# Altium PCB PA_8CH_CTRL.PcbDoc (part 4 of 10)
Units mm, origin at the board's own origin, x right, y up, seen from the top; angles counter-clockwise.
Board outline 390 x 110 mm, 4 copper layers (Component Side, Signal Layer 1, Power Plane, Solder Side), stack 1.604 mm thick; 833 components, 525 nets, 2536 pads, 1881 vias.
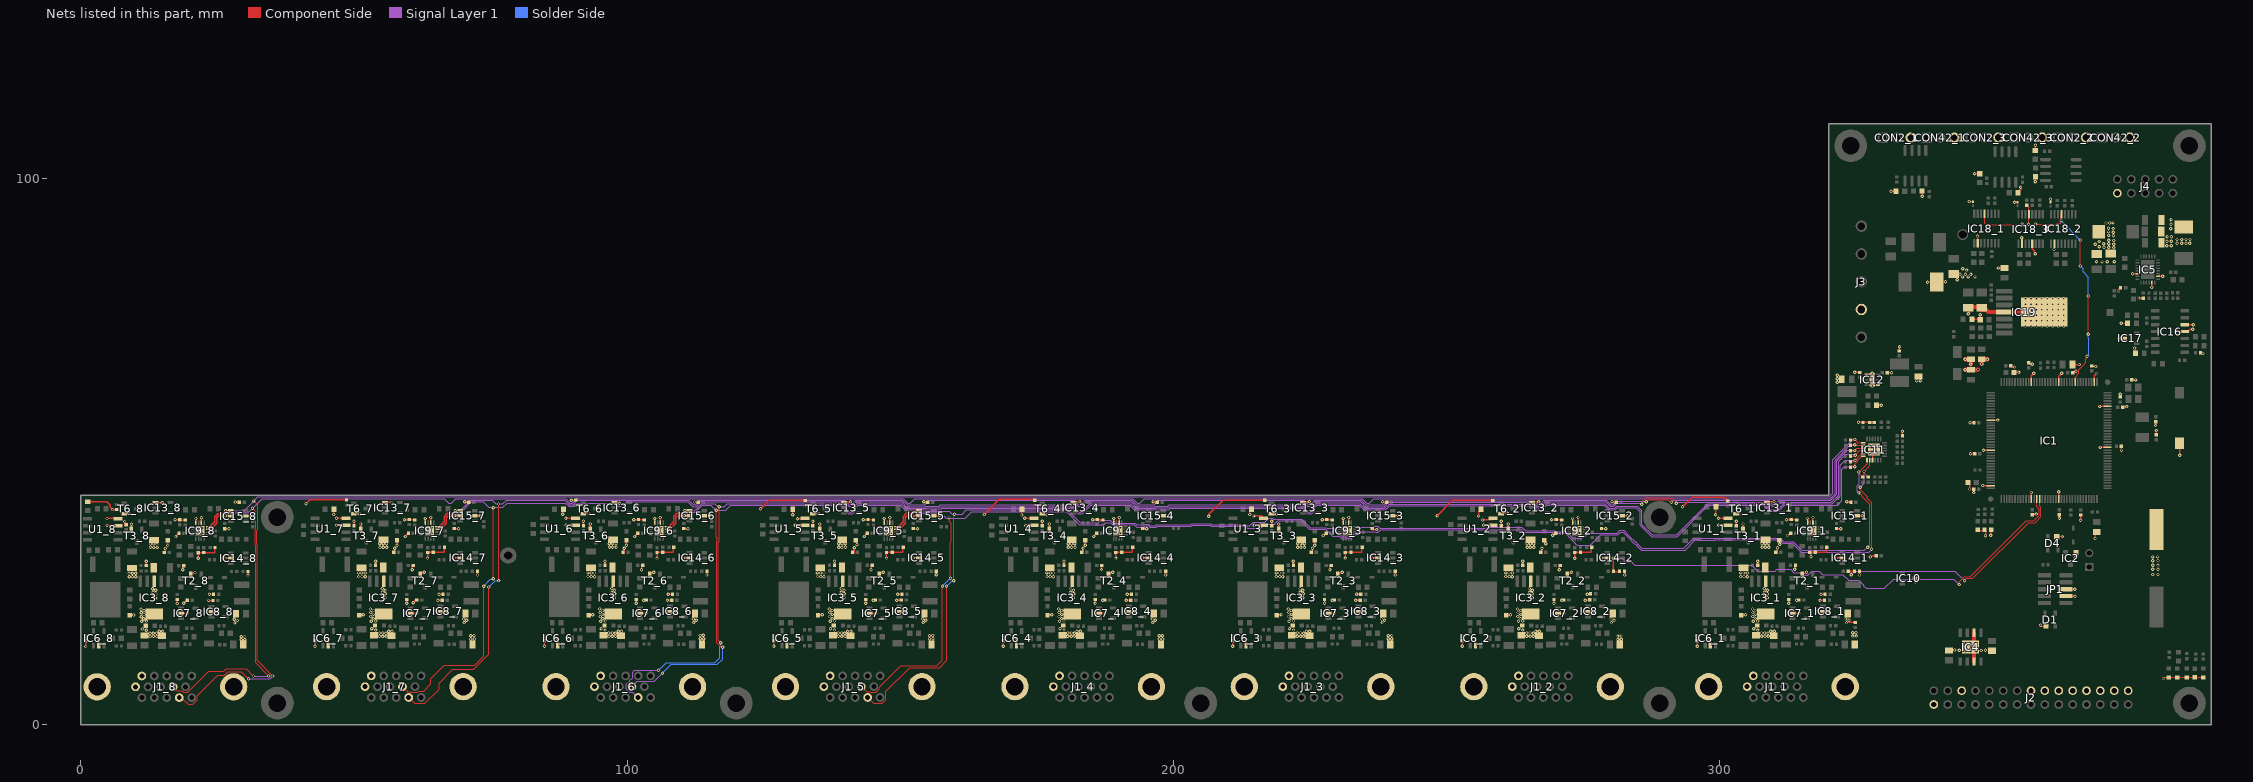
[diagram p6: the nets of this part, all layers, seen from the top]

## Via types
v1: diameter 0.6, hole 0.3, Component Side to Solder Side, tented both sides, 1530 vias
v2: diameter 0.6, hole 0.3, Component Side to Solder Side, 351 vias

## Nets (pads, with @x,y where several pads share a name; then routed paths per layer and width w, separated by ;. In a path a pad name is that pad's centre, name@x,y a point inside that pad or via, vN(x,y) a via of type N, cw(c..) or ccw(c..) an arc to the next point about the centre after c; other vN are vias at no path point) (continued)
EN_PWR_CH6: IC1.122 R85_2.2 R88_2.2 | length 95.1
  Component Side w0.152: v1(343.865,25.679) 343.865,26.173 344.794,27.102 345.903,27.102 356.139,37.338 357.465,37.338 358.491,38.364 358.491,39.502 358.074,39.918 IC1.122@358.074,41.345
  Component Side w0.254: R88_2.2@280.391,28.071 R88_2.2@280.518,28.071 ; v1(280.518,30.48) R88_2.2@280.518,28.071 ; R88_2.2@280.562,28.096 R88_2.2@280.562,28.071 ; R85_2.2@281.629,28.071 R88_2.2@280.562,28.071 ; R88_2.2@280.518,28.071 280.518,27.915 280.562,27.87 R88_2.2@280.562,28.071 ; R88_2.2@280.518,28.071 R88_2.2@280.562,28.071
  Signal Layer 1 w0.152: v1(280.518,30.48) 282.186,30.48 282.773,29.893 283.823,29.893 284.456,29.26 304.437,29.26 304.462,29.234 305.893,29.234 306.976,28.152 310.178,28.152 310.495,28.469 312.992,28.469 313.571,27.889 314.782,27.889 315.282,27.39 316.123,27.39 316.847,28.113 318.23,28.113 318.856,27.488 322.575,27.488 323.596,26.467 325.476,26.467 326.395,25.548 326.395,25.41 326.831,24.973 330.154,24.973 331.876,26.695 342.849,26.695 v1(343.865,25.679)
EN_PWR_CH7: IC1.123 R85_1.2 R88_1.2 | length 45.7
  Component Side w0.152: v1(344.83,26.391) 345.237,26.797 346.354,26.797 356.591,37.033 357.758,37.033 358.801,38.076 358.801,39.776 358.574,40.003 IC1.123@358.574,41.345
  Component Side w0.254: R88_1.2@323.562,28.096 324.104,28.096 ; v1(324.104,27.457) 324.104,28.096 ; R85_1.2@324.68,28.096 324.104,28.096
  Signal Layer 1 w0.152: v1(324.104,27.457) 324.81,28.164 343.057,28.164 v1(344.83,26.391)
FANN: IC1.45 IC18_1.5 IC18_2.5 IC18_3.5 R24.2 | length 53.7
  Component Side w0.152: IC18_1.5@348.507,93.55 348.507,91.867 348.825,91.55 355.3,91.55 355.392,91.642 v2(355.392,91.704) ; R24.2@356.25,95.105 356.608,94.748 IC18_3.5@356.608,93.45 356.55,93.392 v2(356.55,91.65) ; v2(357.875,91.675) 357.9,91.65 360.269,91.65 360.287,91.668 361.607,91.668 361.787,91.847 362.472,91.847 362.583,91.957 ; v2@362.583,92.25 IC18_2.5@362.583,93.5 ; IC1.45@365.074,62.745 365.074,63.673 365.778,64.376 365.778,65.03 366.974,66.226 366.974,66.36 367.029,66.414 367.029,67.029 367.249,67.249 v2(367.249,67.5) ; v2(366,84) v2(366,88.75) ; v2(367.5,71.5) v2@367.5,78.499
  Solder Side w0.152: v2(355.392,91.704) 355.414,91.683 356.517,91.683 v2(356.55,91.65) 356.575,91.675 v2(357.875,91.675) ; v2(362.499,92.25) v2(366,88.75) ; v2(366,84) 366.529,83.471 366.529,82.902 367.499,81.932 367.499,79.497 367.471,79.469 367.471,78.527 v2(367.499,78.5) ; v2(367.249,67.5) 367.528,67.778 367.528,70.719 367.5,70.747 v2(367.5,71.5)
GND: C1.2 C2.2 C3.2 C4.2 C5.2 C6.2 C7.2 C8.2 C9.2 C10.2 C11.2 C12.2 C13.2 C14.2 C15.2 C16.2 C17.1 C18.1 C19_1.1 C19_2.1 C19_3.1 C19_4.1 C19_5.1 C19_6.1 C19_7.1 C19_8.1 C20_1.1 C20_2.1 C20_3.1 C20_4.1 C20_5.1 C20_6.1 C20_7.1 C20_8.1 C21.1 C22.1 C24.1 C25.1 C28.1 C29.1 C30.1 C31.1 C32_1.1 C32_2.1 C32_3.1 C32_4.1 C32_5.1 C32_6.1 C32_7.1 C32_8.1 C33_1.1 C33_2.1 C33_3.1 C33_4.1 C33_5.1 C33_6.1 C33_7.1 C33_8.1 C34_1.1 C34_2.1 C34_3.1 C34_4.1 C34_5.1 C34_6.1 C34_7.1 C34_8.1 C36_1.1 C36_2.1 C36_3.1 C36_4.1 C36_5.1 C36_6.1 C36_7.1 C36_8.1 C37_1.1 C37_2.1 C37_3.1 C37_4.1 C37_5.1 C37_6.1 C37_7.1 C37_8.1 C39_1.2 C39_2.2 C39_3.2 C39_4.2 C39_5.2 C39_6.2 C39_7.2 C39_8.2 C42_1.1 C42_2.1 C42_3.1 C42_4.1 C42_5.1 C42_6.1 C42_7.1 C42_8.1 C43_1.1 C43_2.1 C43_3.1 C43_4.1 C43_5.1 C43_6.1 C43_7.1 C43_8.1 C44_1.2 C44_2.2 C44_3.2 C44_4.2 C44_5.2 C44_6.2 C44_7.2 C44_8.2 C45_1.1 C45_2.1 C45_3.1 C45_4.1 C45_5.1 C45_6.1 C45_7.1 C45_8.1 C46_1.2 C46_2.2 C46_3.2 C46_4.2 C46_5.2 C46_6.2 C46_7.2 C46_8.2 C47_1.1 C47_2.1 C47_3.1 C47_4.1 C47_5.1 C47_6.1 C47_7.1 C47_8.1 C48_1.1 C48_2.1 C48_3.1 C48_4.1 C48_5.1 C48_6.1 C48_7.1 C48_8.1 C49_1.2 C49_2.2 C49_3.2 C49_4.2 C49_5.2 C49_6.2 C49_7.2 C49_8.2 C50_1.2 C50_2.2 C50_3.2 C50_4.2 C50_5.2 C50_6.2 C50_7.2 C50_8.2 C51_1.2 C51_2.2 C51_3.2 C51_4.2 C51_5.2 C51_6.2 C51_7.2 C51_8.2 C52.2 C53.2 C54.2 C55.1 C56.1 C57.1 C58.1 C60_1.1 C60_2.1 C60_3.1 C60_4.1 C60_5.1 C60_6.1 C60_7.1 C60_8.1 C61.2 C63.1 C64.1 C65.2 C66.1 C67.1 C68.1 C69.1 C70.1 C109_1.1 C109_2.1 C109_3.1 C110_1.1 C110_2.1 C110_3.1 C113_1.1 C113_2.1 C113_3.1 CON2_1.3 CON2_2.3 CON2_3.3 CON42_1.3 CON42_2.3 CON42_3.3 D1.1 D4.1 IC1.16 IC1.31 IC1.38 IC1.51 IC1.61 IC1.83 IC1.94 IC1.107 IC1.120 IC1.130 IC2.1 IC3_1.3 IC3_1.6 IC3_2.3 IC3_2.6 IC3_3.3 IC3_3.6 IC3_4.3 IC3_4.6 IC3_5.3 IC3_5.6 IC3_6.3 IC3_6.6 IC3_7.3 IC3_7.6 IC3_8.3 IC3_8.6 IC4.3 IC4.6 IC4.9 IC5.6 IC5.13 IC5.16 IC6_1.2 IC6_2.2 IC6_3.2 IC6_4.2 IC6_5.2 IC6_6.2 IC6_7.2 IC6_8.2 IC7_1.2 IC7_2.2 IC7_3.2 IC7_4.2 IC7_5.2 IC7_6.2 IC7_7.2 IC7_8.2 IC8_1.2 IC8_2.2 IC8_3.2 IC8_4.2 IC8_5.2 IC8_6.2 IC8_7.2 IC8_8.2 IC9_1.6 IC9_1.8 IC9_1.17 IC9_2.6 IC9_2.8 IC9_2.17 IC9_3.6 IC9_3.8 IC9_3.17 IC9_4.6 IC9_4.8 IC9_4.17 IC9_5.6 IC9_5.8 IC9_5.17 IC9_6.6 IC9_6.8 IC9_6.17 IC9_7.6 IC9_7.8 IC9_7.17 IC9_8.6 IC9_8.8 IC9_8.17 IC10.3 IC11.9 IC11.25 IC12.1 IC12.6 IC12.11 IC13_1.1 IC13_2.1 IC13_3.1 IC13_4.1 IC13_5.1 IC13_6.1 IC13_7.1 IC13_8.1 IC14_1.2 IC14_2.2 IC14_3.2 IC14_4.2 IC14_5.2 IC14_6.2 IC14_7.2 IC14_8.2 IC15_1.2 IC15_2.2 IC15_3.2 IC15_4.2 IC15_5.2 IC15_6.2 IC15_7.2 IC15_8.2 IC16.11 IC16.12 IC17.3 IC18_1.10 IC18_2.10 IC18_3.10 IC18_3.13 IC19.4 IC19.8 J1_1.6 J1_1.11 J1_1.16 J1_1.17 J1_2.6 J1_2.11 J1_2.16 J1_2.17 J1_3.6 J1_3.11 J1_3.16 J1_3.17 J1_4.6 J1_4.11 J1_4.16 J1_4.17 J1_5.6 J1_5.11 J1_5.16 J1_5.17 J1_6.6 J1_6.11 J1_6.16 J1_6.17 J1_7.6 J1_7.11 J1_7.16 J1_7.17 J1_8.6 J1_8.11 J1_8.16 J1_8.17 J2.1 J2.3 J2.5 J2.7 J2.9 J2.11 J2.13 J2.15 J2.25 J2.30 J3.2 J4.10 JP1.3 JP1.5 L3.2 L5.2 LD1_1.1 LD1_2.1 LD1_3.1 LD1_4.1 LD1_5.1 LD1_6.1 LD1_7.1 LD1_8.1 LD2_1.1 LD2_2.1 LD2_3.1 LD2_4.1 LD2_5.1 LD2_6.1 LD2_7.1 LD2_8.1 LD3.1 LD9.1 LD10.1 LD11.1 LD12_1.2 LD12_2.2 LD12_3.2 LD12_4.2 LD12_5.2 LD12_6.2 LD12_7.2 LD12_8.2 LD16.1 LD17.1 LD18.2 LD19.1 PB1.2 R2.1 R4.2 R9_1.1 R9_2.1 R9_3.1 R9_4.1 R9_5.1 R9_6.1 R9_7.1 R9_8.1 R13_1.1 R13_2.1 R13_3.1 R13_4.1 R13_5.1 R13_6.1 R13_7.1 R13_8.1 R16.1 R18.1 R31.1 R50_1.2 R50_2.2 R50_3.2 R50_4.2 R50_5.2 R50_6.2 R50_7.2 R50_8.2 R51_1.1 R51_2.1 R51_3.1 R51_4.1 R51_5.1 R51_6.1 R51_7.1 R51_8.1 R52_1.1 R52_2.1 R52_3.1 R52_4.1 R52_5.1 R52_6.1 R52_7.1 R52_8.1 R59_1.2 R59_2.2 R59_3.2 R59_4.2 R59_5.2 R59_6.2 R59_7.2 R59_8.2 R66.1 R67.1 R69.1 R82.1 R83.1 R85_1.1 R85_2.1 R85_3.1 R85_4.1 R85_5.1 R85_6.1 R85_7.1 R85_8.1 R90_1.1 R90_2.1 R90_3.1 R90_4.1 R90_5.1 R90_6.1 R90_7.1 R90_8.1 R95.2 R97.1 R99.1 T2_1.2 T2_2.2 T2_3.2 T2_4.2 T2_5.2 T2_6.2 T2_7.2 T2_8.2 T3_1.2 T3_2.2 T3_3.2 T3_4.2 T3_5.2 T3_6.2 T3_7.2 T3_8.2 T6_1.2 T6_2.2 T6_3.2 T6_4.2 T6_5.2 T6_6.2 T6_7.2 T6_8.2 U1_1.3 U1_1.4 U1_2.3 U1_2.4 U1_3.3 U1_3.4 U1_4.3 U1_4.4 U1_5.3 U1_5.4 U1_6.3 U1_6.4 U1_7.3 U1_7.4 U1_8.3 U1_8.4 | length 467.6
  Component Side w0.152: v2(338.075,81.05) 338.1,81.075 L5.2@339.75,81.075 341.325,81.075 v2(341.35,81.1) ; v2(358.75,18.25) 358.9,18.1 D1.1@359.75,18.1 ; v2(361.22,87.027) 361.247,87 361.25,87 361.313,87.063 IC18_2.10@361.313,88.1 ; D4.1@361.75,34.4 361.85,34.5 v2(362.75,34.5) ; v2(373.5,73.5) R95.2@374.7,73.5 ; C1.2@375.43,63.144 376.169,63.144 v2(376.175,63.15) ; v2(376,69) 376.125,68.875 R97.1@376.125,68 ; v2(381.25,8.5) 381.425,8.675 LD18.2@382.25,8.675 LD17.1@383.75,8.675 LD16.1@385.5,8.675 LD3.1@388.5,8.675
  Component Side w0.254: v1(0.889,14.351) C43_8.1@0.889,15.396 ; R9_8.1@1.3,40.85 2.3,40.85 2.35,40.9 2.375,40.875 2.375,40.85 4.72,40.85 5.379,40.191 5.379,39.833 v1(5.805,39.407) R52_8.1@6.61,39.407 ; IC6_8.2@3.302,14.546 v1(3.302,15.621) ; v1(4.814,36.512) U1_8.3@6.535,36.512 ; v1(4.813,37.782) U1_8.4@6.535,37.782 ; T6_8.2@7.985,38.627 8.093,38.735 v1(8.788,38.735) ; C20_8.1@8.026,36.442 v1(8.026,37.236) ; LD1_8.1@8.96,20.077 9,20.117 v1(9.728,20.117) ; T3_8.2@9.286,35.77 v1(9.286,36.744) ; R13_8.1@11.98,29.177 v1(11.98,29.938) ; C42_8.1@13.41,33.852 C42_8.1@13.467,33.795 ; IC13_8.1@13.698,40.68 v1(14.899,40.68) ; C39_8.2@15.273,31.547 15.482,31.338 v1(15.482,32.296) ; v1(15.9,32.842) LD12_8.2@15.9,33.795 ; v1(17.247,37.541) 17.265,37.559 C49_8.2@18.11,37.559 ; v1(17.424,34.468) 17.424,34.486 C44_8.2@17.99,35.052 ; v1(17.678,22.225) R51_8.1@17.678,22.923 ; C49_8.2@18.212,37.509 18.243,37.478 R59_8.2@19.202,37.478 ; IC7_8.2@18.385,20.418 v1(19.511,20.418) ; v1(18.662,28.379) C46_8.2@18.662,29.159 ; v1(18.847,22.25) 18.858,22.25 19.416,22.809 19.442,22.784 C47_8.1@19.489,22.831 ; T2_8.2@20.132,27.537 20.132,27.762 20.777,27.762 v1(20.904,27.889) ; v1(21.082,37.77) 21.094,37.758 IC9_8.8@21.094,37.006 ; v1(21.488,30.505) C48_8.1@21.488,31.529 22.504,31.529 C51_8.2@22.53,31.554 24.428,31.554 24.504,31.63 C45_8.1@24.504,32.461 ; IC9_8.6@22.094,37.006 v1(22.094,37.926) ; v1(23.393,22.784) 23.419,22.758 C50_8.2@24.098,22.758 ; v1(23.571,23.901) R50_8.2@24.32,23.901 ; IC8_8.2@24.105,20.672 24.126,20.65 v1(25.095,20.65) ; R90_8.1@26.391,35.903 26.403,35.89 v1(27.153,35.89) ; v1(26.416,30.531) IC14_8.2@27.454,30.531 ; v1(28.296,40.792) 28.536,40.792 28.598,40.73 C60_8.1@29.048,40.73 ; IC15_8.2@30.148,38.23 30.168,38.25 v1(31,38.25) ; v1(30.62,27.419) R85_8.1@30.62,28.067 ; v2(41.224,40.462) 41.974,41.212 48.565,41.212 R52_7.1@48.641,41.135 ; v1(42.889,14.38) C43_7.1@42.889,15.425 ; IC6_7.2@45.302,14.575 v1(45.302,15.65) ; v1(46.33,38.506) 46.33,39.476 R9_7.1@46.335,39.481 ; v1(46.813,37.811) U1_7.4@48.535,37.811 ; v1(46.814,36.541) U1_7.3@48.535,36.541 ; T6_7.2@49.985,38.656 49.988,38.659 v1(50.978,38.659) ; C20_7.1@50.026,36.471 v1(50.026,37.265) ; LD1_7.1@50.96,20.106 51,20.146 v1(51.728,20.146) ; T3_7.2@51.286,35.799 v1(51.286,36.773) ; R13_7.1@53.98,29.206 v1(53.98,29.967) ; C42_7.1@55.41,33.881 C42_7.1@55.467,33.824 ; IC13_7.1@55.698,40.709 v1(56.899,40.709) ; C39_7.2@57.273,31.576 57.482,31.367 v1(57.482,32.325) ; v1(57.9,32.871) LD12_7.2@57.9,33.824 ; v1(59.247,37.57) 59.265,37.588 C49_7.2@60.11,37.588 ; v1(59.424,34.497) 59.424,34.515 C44_7.2@59.99,35.081 ; v1(59.678,22.254) R51_7.1@59.678,22.952 ; C49_7.2@60.212,37.538 60.243,37.507 R59_7.2@61.202,37.507 ; IC7_7.2@60.385,20.447 v1(61.511,20.447) ; v1(60.662,28.408) C46_7.2@60.662,29.188 ; v1(60.884,22.352) 60.884,22.4 61.369,22.885 61.442,22.813 C47_7.1@61.489,22.86 ; T2_7.2@62.132,27.566 62.132,27.791 62.777,27.791 v1(62.904,27.918) ; v1(63.082,37.799) 63.094,37.787 IC9_7.8@63.094,37.035 ; v1(63.488,30.534) C48_7.1@63.488,31.558 64.504,31.558 C51_7.2@64.53,31.583 66.428,31.583 66.504,31.659 C45_7.1@66.504,32.49 ; IC9_7.6@64.094,37.035 v1(64.094,37.955) ; v1(65.393,22.813) 65.419,22.787 C50_7.2@66.098,22.787 ; v1(65.571,23.93) R50_7.2@66.32,23.93 ; IC8_7.2@66.105,20.701 66.126,20.679 v1(67.095,20.679) ; R90_7.1@68.391,35.932 68.403,35.919 v1(69.153,35.919) ; v1(68.416,30.56) IC14_7.2@69.454,30.56 ; v1(70.296,40.821) 70.536,40.821 70.598,40.759 C60_7.1@71.048,40.759 ; IC15_7.2@72.148,38.259 v1(73.143,38.259) ; v1(72.62,27.448) R85_7.1@72.62,28.096 ; v1(84.889,14.38) C43_6.1@84.889,15.425 ; IC6_6.2@87.302,14.575 v1(87.302,15.65) ; v1(88.24,38.557) 88.24,39.386 R9_6.1@88.335,39.481 ; v1(88.813,37.811) U1_6.4@90.535,37.811 ; v1(88.814,36.541) U1_6.3@90.535,36.541 ; v2(89.775,41.135) R52_6.1@90.602,41.135 ; T6_6.2@91.985,38.656 92.033,38.608 v1(93.116,38.608) ; C20_6.1@92.026,36.471 v1(92.026,37.265) ; LD1_6.1@92.96,20.106 93,20.146 v1(93.728,20.146) ; T3_6.2@93.286,35.799 v1(93.286,36.773) ; R13_6.1@95.98,29.206 v1(95.98,29.967) ; C42_6.1@97.41,33.881 C42_6.1@97.467,33.824 ; IC13_6.1@97.698,40.709 97.843,40.564 v1(98.603,40.564) ; C39_6.2@99.273,31.576 99.482,31.367 v1(99.482,32.325) ; v1(99.9,32.871) LD12_6.2@99.9,33.824 ; v1(101.247,37.57) 101.265,37.588 C49_6.2@102.11,37.588 ; v1(101.424,34.497) 101.424,34.515 C44_6.2@101.99,35.081 ; v1(101.678,22.254) R51_6.1@101.678,22.952 ; C49_6.2@102.212,37.538 102.243,37.507 R59_6.2@103.202,37.507 ; IC7_6.2@102.385,20.447 v1(103.511,20.447) ; v1(102.662,28.408) C46_6.2@102.662,29.188 ; v1(103.075,22.813) 103.442,22.813 C47_6.1@103.489,22.86 ; T2_6.2@104.132,27.566 104.132,27.791 104.777,27.791 v1(104.904,27.918) ; v1(105.082,37.799) 105.094,37.787 IC9_6.8@105.094,37.035 ; v1(105.488,30.534) C48_6.1@105.488,31.558 106.504,31.558 C51_6.2@106.53,31.583 108.428,31.583 108.504,31.659 C45_6.1@108.504,32.49 ; IC9_6.6@106.094,37.035 v1(106.094,37.955) ; v1(107.393,22.813) 107.419,22.787 C50_6.2@108.098,22.787 ; v1(107.571,23.93) R50_6.2@108.32,23.93 ; IC8_6.2@108.105,20.701 108.126,20.679 v1(109.095,20.679) ; R90_6.1@110.391,35.932 110.403,35.919 v1(111.153,35.919) ; v1(110.416,30.56) IC14_6.2@111.454,30.56 ; v1(112.344,40.792) 113.015,40.792 C60_6.1@113.048,40.759 ; IC15_6.2@114.148,38.259 v1(115.143,38.259) ; v1(114.62,27.448) R85_6.1@114.62,28.096 ; v2(124.435,39.548) 126.048,41.161 132.563,41.161 R52_5.1@132.639,41.085 ; v1(126.889,14.38) C43_5.1@126.889,15.425 ; IC6_5.2@129.302,14.575 v1(129.302,15.65) ; v1(130.327,38.481) 130.327,39.489 R9_5.1@130.335,39.481 ; v1(130.814,36.541) U1_5.3@132.535,36.541 ; v1(131.191,37.719) 132.443,37.719 U1_5.4@132.535,37.811 ; T6_5.2@133.985,38.656 134.013,38.684 v1(135.026,38.684) ; C20_5.1@134.026,36.471 v1(134.026,37.265) ; LD1_5.1@134.96,20.106 135,20.146 v1(135.728,20.146) ; T3_5.2@135.286,35.799 v1(135.286,36.773) ; R13_5.1@137.98,29.206 v1(137.98,29.967) ; C42_5.1@139.41,33.881 C42_5.1@139.467,33.824 ; IC13_5.1@139.698,40.709 139.843,40.564 140.123,40.843 v1(140.894,40.843) ; C39_5.2@141.273,31.576 141.482,31.367 141.58,31.465 v1(141.58,32.436) ; LD12_5.2@141.9,33.824 142.088,33.637 v1(142.088,32.969) ; v1(143.247,37.57) 143.265,37.588 C49_5.2@144.11,37.588 ; v1(143.424,34.497) 143.424,34.515 C44_5.2@143.99,35.081 ; v1(143.678,22.254) R51_5.1@143.678,22.952 ; C49_5.2@144.212,37.538 144.243,37.507 R59_5.2@145.202,37.507 ; IC7_5.2@144.385,20.447 v1(145.511,20.447) ; v1(144.662,28.408) C46_5.2@144.662,29.188 ; v1(145.075,22.813) 145.442,22.813 C47_5.1@145.489,22.86 ; T2_5.2@146.132,27.566 146.132,27.791 146.777,27.791 v1(146.904,27.918) ; v1(147.082,37.799) 147.094,37.787 IC9_5.8@147.094,37.035 ; v1(147.488,30.534) C48_5.1@147.488,31.558 148.504,31.558 C51_5.2@148.53,31.583 150.428,31.583 150.504,31.659 C45_5.1@150.504,32.49 ; IC9_5.6@148.094,37.035 v1(148.094,37.955) ; v1(149.393,22.813) 149.419,22.787 C50_5.2@150.098,22.787 ; v1(149.571,23.93) R50_5.2@150.32,23.93 ; IC8_5.2@150.105,20.701 150.126,20.679 v1(151.095,20.679) ; R90_5.1@152.391,35.932 152.403,35.919 v1(153.153,35.919) ; v1(152.416,30.56) IC14_5.2@153.454,30.56 ; v1(154.296,40.821) 154.536,40.821 154.598,40.759 C60_5.1@155.048,40.759 ; IC15_5.2@156.148,38.259 v1(157.143,38.259) ; v1(156.591,27.483) 156.591,28.067 R85_5.1@156.62,28.096 ; v2(165.405,38.506) 168.161,41.262 174.473,41.262 R52_4.1@174.625,41.11 ; v1(168.889,14.38) C43_4.1@168.889,15.425 ; IC6_4.2@171.302,14.575 v1(171.302,15.65) ; v1(172.288,38.43) 172.288,39.434 R9_4.1@172.335,39.481 ; v1(172.813,37.811) U1_4.4@174.535,37.811 ; v1(173,36.5) 174.494,36.5 U1_4.3@174.535,36.541 ; T6_4.2@175.985,38.656 176.185,38.456 v1(176.886,38.456) ; C20_4.1@176.026,36.471 v1(176.026,37.265) ; LD1_4.1@176.96,20.106 177,20.146 v1(177.728,20.146) ; T3_4.2@177.286,35.799 v1(177.286,36.773) ; R13_4.1@179.98,29.206 v1(179.98,29.967) ; C42_4.1@181.41,33.881 C42_4.1@181.467,33.824 ; IC13_4.1@181.698,40.709 181.843,40.564 182.123,40.843 v1(182.905,40.843) ; C39_4.2@183.273,31.576 183.482,31.576 v1(183.482,32.325) ; v1(183.9,32.871) LD12_4.2@183.9,33.824 ; v1(185.247,37.57) 185.265,37.588 C49_4.2@186.11,37.588 ; v1(185.424,34.497) 185.424,34.515 C44_4.2@185.99,35.081 ; v1(185.678,22.254) R51_4.1@185.678,22.952 ; C49_4.2@186.212,37.538 186.243,37.507 R59_4.2@187.202,37.507 ; IC7_4.2@186.385,20.447 v1(187.511,20.447) ; v1(186.868,28.423) C46_4.2@186.868,28.982 ; v1(187.075,22.813) 187.442,22.813 C47_4.1@187.489,22.86 ; T2_4.2@188.132,27.566 188.132,27.791 188.777,27.791 v1(188.904,27.918) ; v1(189.082,37.799) 189.094,37.787 IC9_4.8@189.094,37.035 ; v1(189.488,30.534) C48_4.1@189.488,31.558 190.504,31.558 C51_4.2@190.53,31.583 192.428,31.583 192.504,31.659 C45_4.1@192.504,32.49 ; IC9_4.6@190.094,37.035 v1(190.094,37.955) ; v1(191.393,22.813) 191.419,22.787 C50_4.2@192.098,22.787 ; v1(191.571,23.93) R50_4.2@192.32,23.93 ; IC8_4.2@192.105,20.701 192.126,20.679 v1(193.095,20.679) ; R90_4.1@194.391,35.932 194.403,35.919 v1(195.153,35.919) ; v1(194.416,30.56) IC14_4.2@195.454,30.56 ; v1(196.296,40.821) 196.536,40.821 196.598,40.759 C60_4.1@197.048,40.759 ; IC15_4.2@198.148,38.259 198.157,38.25 v1(198.75,38.25) ; v1(198.62,27.448) R85_4.1@198.62,28.096 ; v2(206.502,38.176) 206.502,38.532 209.131,41.161 216.662,41.161 R52_3.1@216.713,41.11 ; v1(210.889,14.38) C43_3.1@210.889,15.425 ; IC6_3.2@213.302,14.575 v1(213.302,15.65) ; v1(214,38.5) 214,39.044 214.401,39.446 214.351,39.497 R9_3.1@214.335,39.481 ; v1(214.75,38.25) 216.096,38.25 U1_3.4@216.535,37.811 ; v1(214.814,36.541) U1_3.3@216.535,36.541 ; T6_3.2@217.985,38.656 218.109,38.532 v1(218.923,38.532) ; C20_3.1@218.026,36.471 v1(218.026,37.265) ; LD1_3.1@218.96,20.106 219,20.146 v1(219.728,20.146) ; T3_3.2@219.286,35.799 v1(219.286,36.773) ; v1(221.945,29.947) 221.945,29.241 R13_3.1@221.98,29.206 ; C42_3.1@223.41,33.881 C42_3.1@223.467,33.824 ; IC13_3.1@223.698,40.709 223.843,40.564 224.123,40.843 v1(224.892,40.843) ; C39_3.2@225.273,31.576 225.482,31.367 v1(225.482,32.325) ; v1(225.9,32.871) LD12_3.2@225.9,33.824 ; v1(227.247,37.57) 227.265,37.588 C49_3.2@228.11,37.588 ; v1(227.432,34.671) 227.58,34.671 C44_3.2@227.99,35.081 ; v1(227.678,22.254) R51_3.1@227.678,22.952 ; C49_3.2@228.212,37.538 228.243,37.507 R59_3.2@229.202,37.507 ; IC7_3.2@228.385,20.447 v1(229.511,20.447) ; v1(228.662,28.408) C46_3.2@228.662,29.188 ; v1(229.075,22.813) 229.442,22.813 C47_3.1@229.489,22.86 ; T2_3.2@230.132,27.566 230.132,27.791 230.777,27.791 v1(230.904,27.918) ; v1(231.082,37.799) 231.094,37.787 IC9_3.8@231.094,37.035 ; v1(231.488,30.534) C48_3.1@231.488,31.558 232.504,31.558 C51_3.2@232.53,31.583 234.428,31.583 234.504,31.659 C45_3.1@234.504,32.49 ; IC9_3.6@232.094,37.035 v1(232.094,37.955) ; v1(233.393,22.813) 233.419,22.787 C50_3.2@234.098,22.787 ; v1(233.571,23.93) R50_3.2@234.32,23.93 ; IC8_3.2@234.105,20.701 234.126,20.679 v1(235.095,20.679) ; R90_3.1@236.391,35.932 236.572,35.75 v1(237.25,35.75) ; v1(236.416,30.56) IC14_3.2@237.454,30.56 ; v1(238.296,40.821) 238.536,40.821 238.598,40.759 C60_3.1@239.048,40.759 ; IC15_3.2@240.148,38.259 v1(241.143,38.259) ; v1(240.62,27.448) R85_3.1@240.62,28.096 ; v2(248.285,38.278) 251.092,41.085 R52_2.1@258.47,41.085 ; v1(252.889,14.38) C43_2.1@252.889,15.425 ; IC6_2.2@255.302,14.575 v1(255.302,15.65) ; v1(255.88,38.252) 255.88,39.026 R9_2.1@256.335,39.481 ; v1(256.667,37.516) 258.24,37.516 U1_2.4@258.535,37.811 ; v1(256.814,36.541) U1_2.3@258.535,36.541 ; T6_2.2@259.985,38.656 260.064,38.735 v1(261.112,38.735) ; C20_2.1@260.026,36.471 v1(260.026,37.265) ; LD1_2.1@260.96,20.106 261,20.146 v1(261.728,20.146) ; T3_2.2@261.286,35.799 v1(261.286,36.773) ; R13_2.1@263.98,29.206 v1(263.98,29.967) ; C42_2.1@265.41,33.881 C42_2.1@265.467,33.824 ; IC13_2.1@265.698,40.709 265.843,40.564 266.123,40.843 v1(266.903,40.843) ; C39_2.2@267.273,31.576 267.482,31.367 v1(267.482,32.325) ; LD12_2.2@267.9,33.824 268.173,33.551 v1(268.173,33.147) ; v1(269.247,37.57) 269.265,37.588 C49_2.2@270.11,37.588 ; v1(269.443,34.696) 269.555,34.696 269.58,34.671 C44_2.2@269.99,35.081 ; v1(269.678,22.254) R51_2.1@269.678,22.952 ; C49_2.2@270.212,37.538 270.243,37.507 R59_2.2@271.202,37.507 ; IC7_2.2@270.385,20.447 v1(271.511,20.447) ; v1(270.662,28.408) C46_2.2@270.662,29.188 ; v1(271.075,22.813) 271.442,22.813 C47_2.1@271.489,22.86 ; T2_2.2@272.132,27.566 272.132,27.791 272.777,27.791 v1(272.904,27.918) ; v1(273.082,37.799) 273.094,37.787 IC9_2.8@273.094,37.035 ; v1(273.482,30.505) 273.482,31.551 C48_2.1@273.488,31.558 274.504,31.558 C51_2.2@274.53,31.583 276.428,31.583 276.504,31.659 C45_2.1@276.504,32.49 ; IC9_2.6@274.094,37.035 v1(274.094,37.955) ; v1(275.393,22.813) 275.419,22.787 C50_2.2@276.098,22.787 ; v1(275.768,23.927) 276.317,23.927 R50_2.2@276.32,23.93 ; IC8_2.2@276.105,20.701 276.246,20.701 276.577,20.371 v1(277.063,20.371) ; R90_2.1@278.391,35.932 278.403,35.919 v1(279.153,35.919) ; v1(278.416,30.56) IC14_2.2@279.454,30.56 ; v1(280.296,40.821) 280.536,40.821 280.598,40.759 C60_2.1@281.048,40.759 ; IC15_2.2@282.148,38.259 v1(283.143,38.259) ; v1(282.62,27.448) R85_2.1@282.62,28.096 ; v2(293.218,39.929) 294.959,41.671 300.861,41.671 R52_1.1@301.523,41.008 ; v1(295.889,14.38) C43_1.1@295.889,15.425 ; IC6_1.2@298.302,14.575 v1(298.302,15.65) ; v1(299.263,38.481) 299.263,39.409 R9_1.1@299.335,39.481 ; v1(299.813,37.811) U1_1.4@301.535,37.811 ; v1(299.814,36.541) U1_1.3@301.535,36.541 ; T6_1.2@302.985,38.656 303.033,38.608 v1(303.911,38.608) ; C20_1.1@303.026,36.471 v1(303.026,37.265) ; LD1_1.1@303.96,20.106 304,20.146 v1(304.728,20.146) ; T3_1.2@304.286,35.799 v1(304.286,36.773) ; v1(306.959,29.947) 306.959,29.227 R13_1.1@306.98,29.206 ; C42_1.1@308.41,33.881 C42_1.1@308.467,33.824 ; IC13_1.1@308.698,40.709 308.843,40.564 309.123,40.843 v1(309.956,40.843) ; C39_1.2@310.273,31.576 310.482,31.367 310.583,31.468 310.583,32.428 v1(310.591,32.436) ; LD12_1.2@310.9,33.824 311.023,33.701 v1(311.023,33.045) ; v1(312.247,37.57) 312.265,37.588 C49_1.2@313.11,37.588 ; v1(312.42,34.671) 312.58,34.671 C44_1.2@312.99,35.081 ; v1(312.678,22.254) R51_1.1@312.678,22.952 ; C49_1.2@313.212,37.538 313.243,37.507 R59_1.2@314.202,37.507 ; IC7_1.2@313.385,20.447 v1(314.511,20.447) ; v1(313.741,28.499) C46_1.2@313.741,29.109 ; v1(314.075,22.813) 314.442,22.813 C47_1.1@314.489,22.86 ; T2_1.2@315.132,27.566 315.132,27.791 315.777,27.791 v1(315.904,27.918) ; v1(316.082,37.799) 316.094,37.787 IC9_1.8@316.094,37.035 ; v1(316.738,30.785) 316.738,31.308 C48_1.1@316.488,31.558 317.504,31.558 C51_1.2@317.53,31.583 319.428,31.583 319.504,31.659 C45_1.1@319.504,32.49 ; IC9_1.6@317.094,37.035 v1(317.094,37.955) ; v1(318.393,22.813) 318.419,22.787 C50_1.2@319.098,22.787 ; v1(318.571,23.93) R50_1.2@319.32,23.93 ; IC8_1.2@319.105,20.701 319.126,20.679 v1(320.095,20.679) ; R90_1.1@321.391,35.932 321.403,35.919 v1(322.153,35.919) ; v1(321.416,30.56) IC14_1.2@322.454,30.56 ; v1(323.296,40.821) 323.536,40.821 323.598,40.759 C60_1.1@324.048,40.759 ; 323.672,18.796 323.71,18.758 R83.1@324.815,18.758 ; 323.677,18.796 v1(323.677,19.13) ; v1(324.739,64.541) 324.772,64.509 C57.1@325.628,64.509 ; IC15_1.2@325.148,38.259 v1(326.143,38.259) ; v1@325.425,55.373 R67.1@327.491,55.373 R69.1@328.491,55.373 ; v1(325.62,27.448) R85_1.1@325.62,28.096 ; IC12.1@326.894,64.205 327.743,64.205 IC12.11@327.762,64.186 ; v1(327.558,30.734) 327.558,30.759 327.736,30.937 C52.2@328.658,30.937 ; IC11.9@327.991,48.453 327.991,50.153 IC11.25@328.241,50.403 ; IC12.11@328.193,62.255 328.244,62.205 IC12.6@328.994,62.205 ; R82.1@328.739,58.547 329.514,58.547 v1(329.565,58.496) ; C55.1@330.726,64.465 v1(331.47,64.465) ; v2(331.375,97.7) C109_1.1@332.275,97.7 ; C65.2@332.918,68.446 332.918,69.215 v2(332.943,69.24) ; R66.1@333.461,52.903 v1(333.461,53.731) ; IC10.3@335.82,26.822 335.82,26.156 v1(335.839,26.137) ; C110_1.1@337.075,97.725 337.075,96.8 v2(337.1,96.775) ; C17.1@345.477,44.348 345.745,44.081 v1(345.745,43.18) ; v2(345.5,75.25) 345.8,75.55 C66.1@345.8,76.5 ; v2(345.692,95.805) 345.772,95.725 C113_1.1@346.4,95.725 ; v1(345.846,55.296) C8.2@346.665,55.296 ; v1(345.923,49.632) C5.2@346.817,49.632 ; R31.1@346.175,74.225 347.695,74.225 C70.1@347.725,74.195 347.725,75.05 v2(347.7,75.075) ; v1(346.532,42.52) 346.532,43.047 C9.2@346.639,43.155 ; v2(346.675,100.875) 346.7,100.9 C109_3.1@347.65,100.9 ; v2(347.2,89.475) 347.237,89.437 IC18_1.10@347.237,88.15 ; LD10.1@347.345,35.801 347.646,35.5 348.691,35.5 348.691,34.671 v1(348.666,34.646) ; v1(348.158,43.815) 348.178,43.795 IC1.107@349.624,43.795 ; v1(348.287,50.295) IC1.94@349.624,50.295 ; IC1.83@349.624,55.795 v1(350.917,55.795) ; v1(349.631,34.696) 349.631,35.395 LD11.1@350.037,35.801 ; v2(351,83.65) C64.1@352.15,83.65 ; C14.2@353.281,65.761 353.542,65.5 v1(353.999,65.5) ; C18.1@353.912,64.516 353.937,64.541 v1(354.787,64.541) ; v2(354,95.675) 354.025,95.7 C113_3.1@354.525,95.7 ; C110_3.1@354.625,97.375 354.625,97.5 355.25,98.125 355.25,98.325 355.17,98.405 v2(355.092,98.405) ; v2(355.317,89.179) 355.317,89.267 355.338,89.287 IC18_3.10@355.338,88.05 ; C12.2@356.565,66.161 356.727,66 v1(357.249,66) ; IC1.120@357.074,41.345 v1(357.074,42.544) ; IC1.61@357.074,62.745 357.074,63.933 v1(357.505,64.364) ; C11.2@357.2,38.588 357.957,38.588 v1(357.962,38.583) ; IC18_3.13@357.243,88.05 357.243,87.159 357.584,86.817 357.584,86.391 357.721,86.254 v2(357.767,86.254) ; v2(357.8,99.425) 357.825,99.45 C110_2.1@357.825,100.35 ; C109_2.1@357.8,105.15 357.8,106.1 v2(357.825,106.125) ; C113_2.1@360.575,95.65 v2(360.575,96.2) ; IC1.130@362.074,41.345 v1(362.074,42.695) ; IC1.51@362.074,62.745 362.074,63.828 v1(362.636,64.389) ; v1(362.204,37.846) C13.2@362.204,38.588 ; JP1.3@363.392,23.571 v1(365.049,23.571) ; JP1.5@363.392,24.841 v1(365.023,24.841) ; C10.2@364.577,65.964 v1(365.862,65.964) ; R2.1@364.782,64.491 365.041,64.75 v1(365.249,64.75) ; IC2.1@364.947,31.547 IC2.1@365.227,31.547 365.125,31.445 v1(365.125,30.607) ; v1(366.065,37.465) 366.065,38.234 366.08,38.25 366.014,38.316 R4.2@366.09,38.392 ; C15.2@368.122,65.603 v1(368.879,65.603) ; IC1.38@368.574,62.745 368.574,63.901 v1(368.986,64.313) ; v1(368.732,34.112) C16.2@368.732,35.32 ; v1(369.568,58.295) IC1.31@371.024,58.295 ; v1(369.702,50.795) IC1.16@371.024,50.795 ; v1(373.012,79.337) 373.012,79.649 373,79.662 373.402,80.063 R18.1@373.414,80.051 ; v1(373.075,70.725) IC17.3@373.8,70.725 ; C2.2@373.355,59.913 v1(373.355,60.528) ; C6.2@373.451,51.029 373.558,50.921 v1(373.558,50.241) ; C7.2@373.679,58.268 v1(374.548,58.268) ; v1@375.586,82.603 IC5.6@376.48,82.603 ; v1(376.755,78.146) 376.793,78.108 R16.1@377.542,78.108 ; v1(379.13,80.063) IC5.13@379.13,80.953 ; v1(379.806,54.788) C4.2@379.806,55.506 ; C3.2@379.908,53.104 v1(379.908,53.873) ; IC5.16@380.28,82.103 v1(381.118,82.103) ; v1(384.226,49.378) PB1.2@384.226,51.586 ; IC16.11@385.124,72 385.731,72 386.167,72.436 v1(386.624,72.436) ; IC16.12@385.124,73.27 v1(386.721,73.27) ; R99.1@388.034,68.118 388.152,68 v1(388.499,68)